# Altium PCB netv2mvp-pvt1b.PCBDOC (part 4 of 7)
Units mm, origin at the board's own origin, x right, y up, seen from the top; angles counter-clockwise.
Board outline 100 x 100 mm, 6 copper layers (L1, L2, L3, L4, L5, L6), stack 1.554 mm thick; 357 components, 296 nets, 2117 pads, 969 vias.
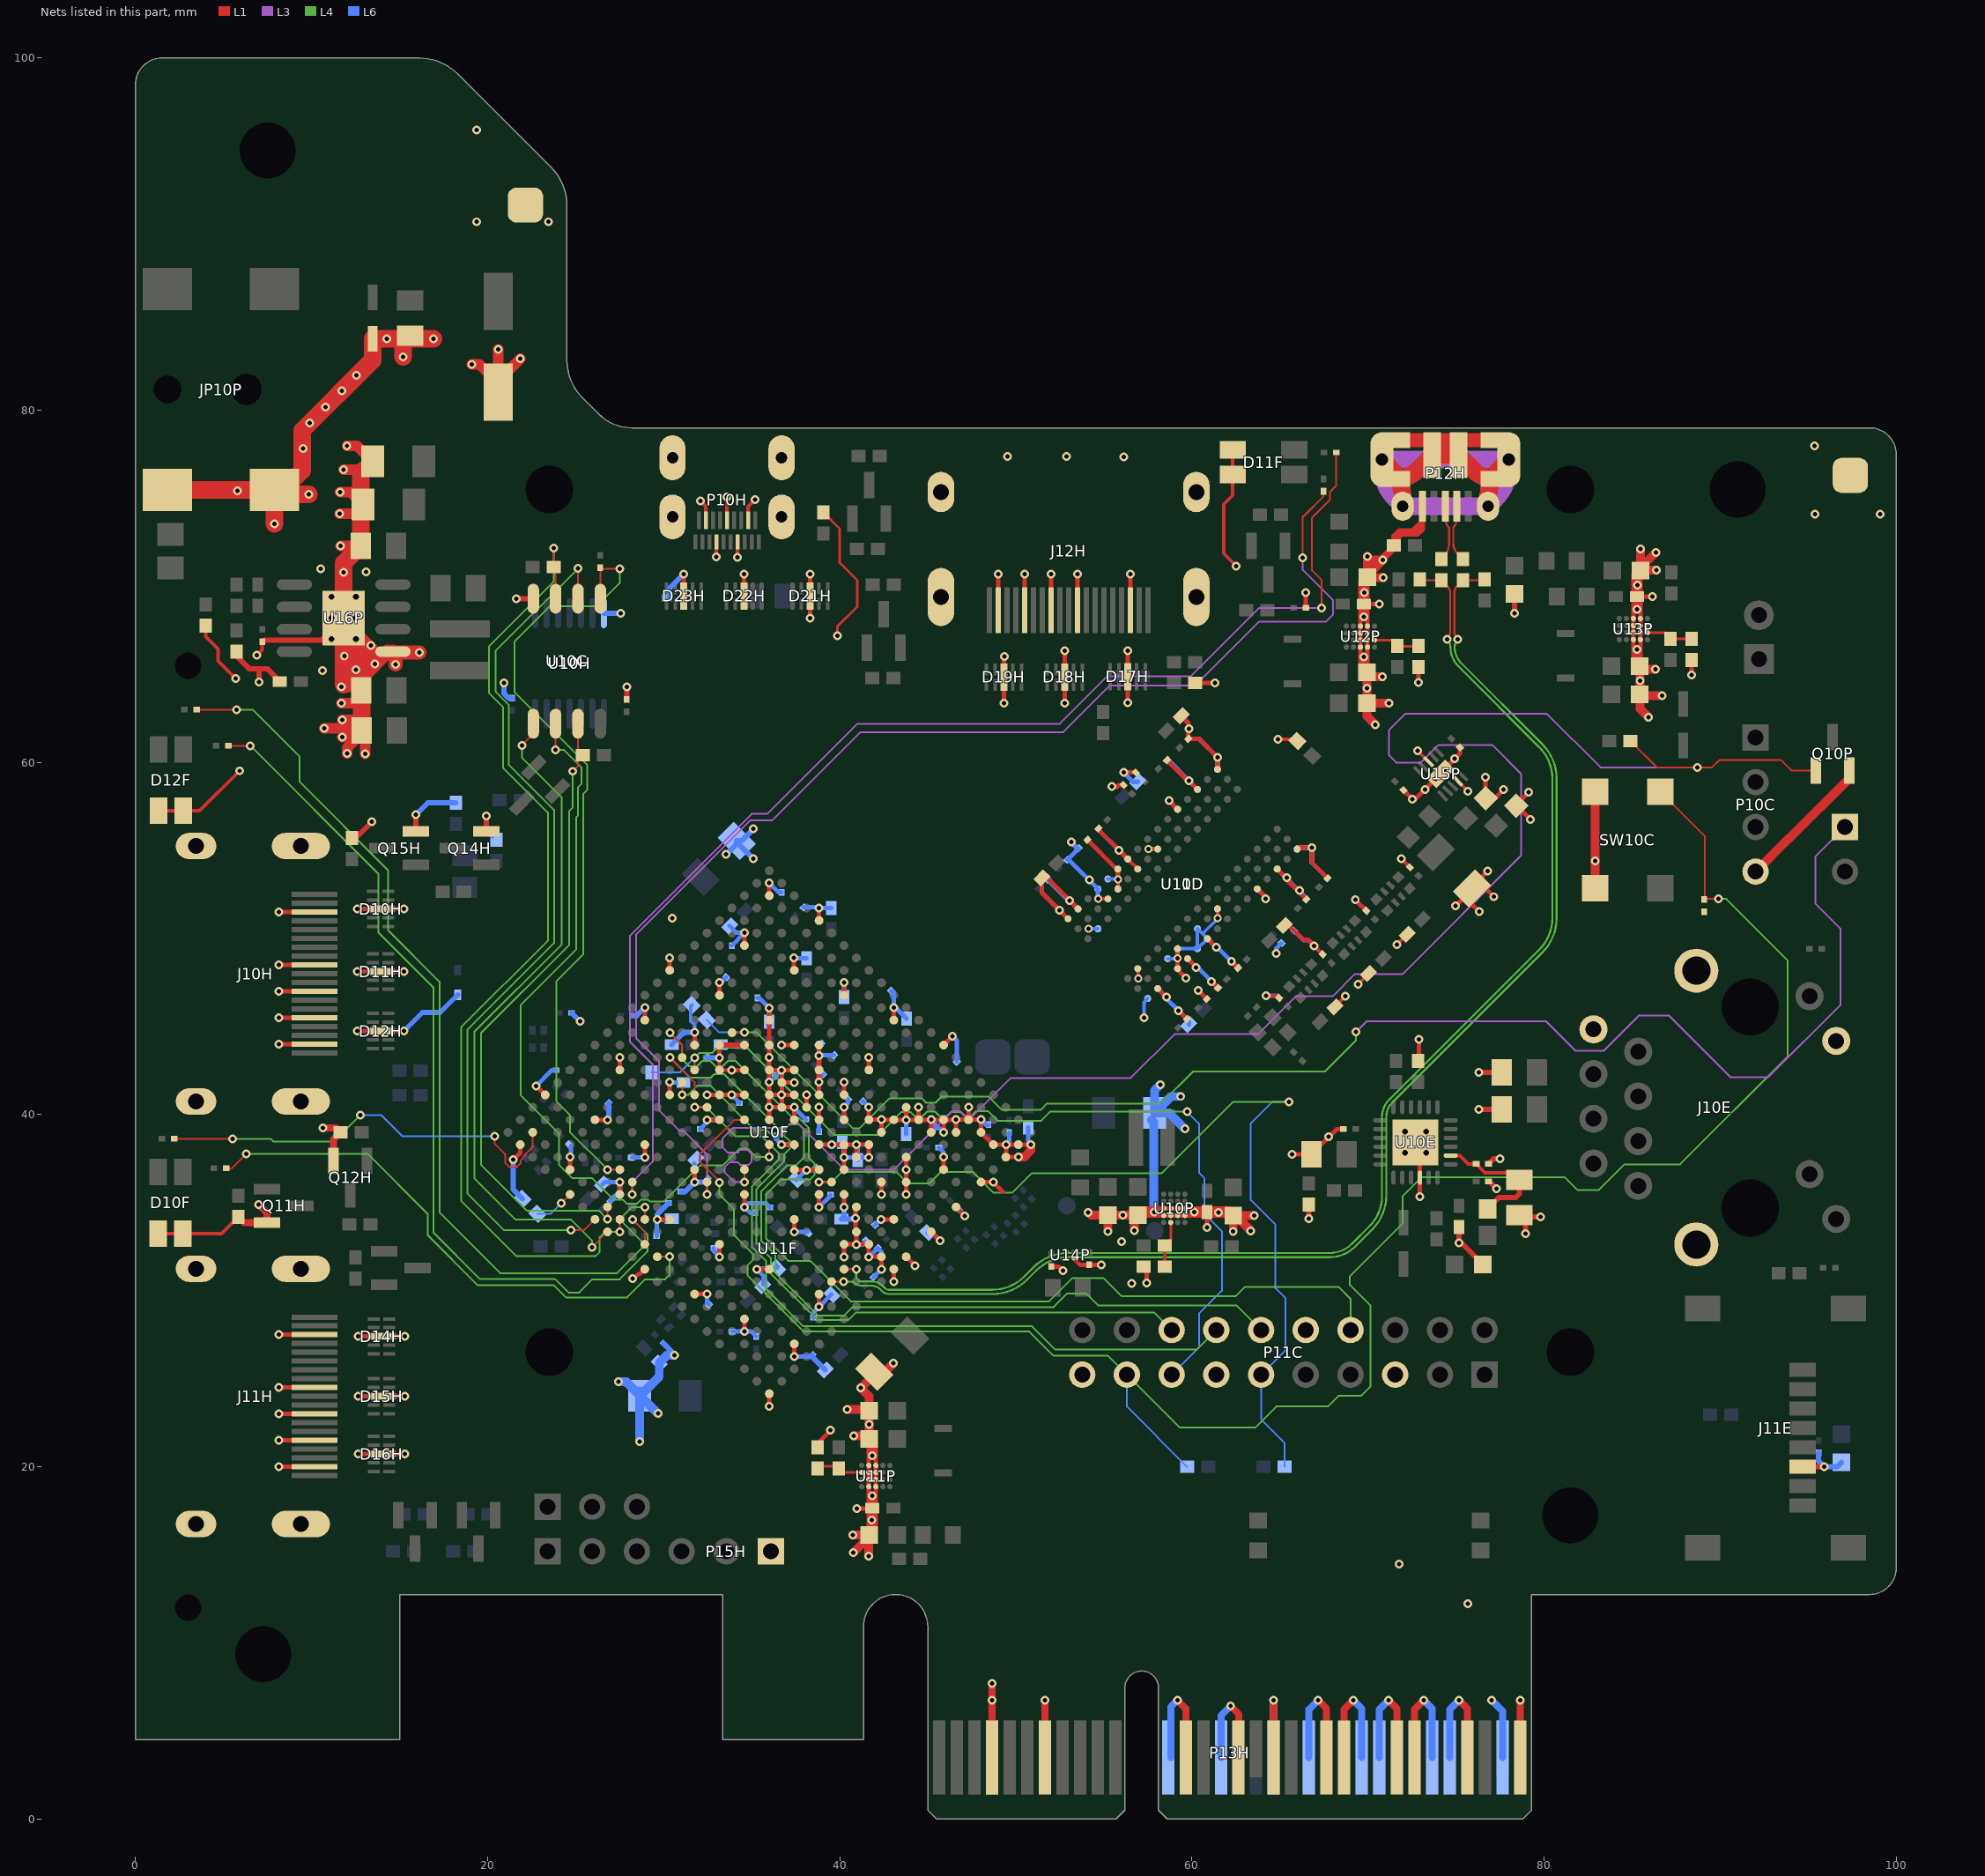
[diagram p8: the nets of this part, all layers, seen from the top]

## Via types
v1: diameter 0.5, hole 0.25, L1 to L6, tented both sides, 895 vias
v2: diameter 0.45, hole 0.25, L1 to L6, tented both sides, 57 vias
v3: diameter 0.7, hole 0.33, L1 to L6, 6 vias
v4: diameter 0.7, hole 0.33, L1 to L6, tented both sides, 5 vias
v5: diameter 0.66, hole 0.33, L1 to L6, tented top, 4 vias
v6: diameter 0.5, hole 0.25, L1 to L6, tented top, 2 vias

## Nets (pads, with @x,y where several pads share a name; then routed paths per layer and width w, separated by ;. In a path a pad name is that pad's centre, name@x,y a point inside that pad or via, vN(x,y) a via of type N, cw(c..) or ccw(c..) an arc to the next point about the centre after c; other vN are vias at no path point) (continued)
ETH_VDDA: C14E.1 C15E.1 L11E.2 U10E.2 | length 7.8
  L1 w0.2: U10E.2@74.7,37.675 75.225,37.675 75.7,37.2 C15E.1@76.15,37.2 76.65,36.7 78.525,36.7 78.812,36.413 C14E.1@78.65,36.25
  L1 w0.3: L11E.2@76.8,34.65 77.45,35.3 78.4,35.3 78.6,35.5 C14E.1@78.6,36.3
FAN_PWM: Q10P.1 R29P.1 U10F.L14 | length 107
  L1 w0.1: v1(34.586,36.179) U10F.L14@34.586,36.879 ; R29P.1@84.9,61.225 86.406,59.718 v1(88.7,59.718) 89.543,59.718 89.959,60.134 93.466,60.134 94.053,59.547 Q10P.1@95.45,59.547
  L3 w0.1: v1(34.586,36.179) 34.005,36.179 33.475,36.709 33.475,37.033 33.742,37.3 34.2,37.3 34.347,37.153 34.829,37.153 35.001,37.325 35.001,37.765 34.766,38 34.363,38 34.197,37.834 33.651,37.834 33.35,38.135 33.35,38.65 33.95,39.25 36.95,39.25 37.2,39.5 37.636,39.5 40.257,36.879 43.077,36.879 46.398,40.2 46.831,40.2 47.131,39.9 47.532,39.9 49.708,42.076 56.527,42.076 59.018,44.567 63.742,44.567 65.9,46.725 68,46.725 69.262,47.987 71.977,47.987 78.7,54.711 78.7,59.358 77.058,61 74,61 73,60 71.6,60 71.2,60.4 71.2,61.85 72.125,62.775 80.15,62.775 83.207,59.718 v1(88.7,59.718)
FB_P1.0V: R14P.1 R16P.1 U10P.A3 | length 2.6
  L1 w0.15: R16P.1@58.45,31.375 R14P.1@58.45,32.575 58.8,32.925 U10P.A3@58.8,33.875
FB_P1.5V: R23P.1 R25P.1 U12P.A3 | length 2.6
  L1 w0.15: U12P.A3@70.375,66.95 71.325,66.95 71.675,66.6 R25P.1@72.875,66.6
FB_P1.8V: R15P.1 R17P.1 U11P.A3 | length 2.6
  L1 w0.15: R17P.1@38.75,20.025 39.95,20.025 40.3,19.675 U11P.A3@41.25,19.675
FB_P3.3V: R24P.1 R26P.1 U13P.A3 | length 2.6
  L1 w0.15: U13P.A3@85.875,67.375 86.825,67.375 R24P.1@87.175,67.025 R26P.1@88.375,67.025
FPGA_DONE: P11C.11 R14F.1 U10F.G11 | length 54.9
  L1 w0.1: v1@38.836,36.172 U10F.G11@39.536,36.172
  L4 w0.1: v1(38.828,36.164) 39.539,36.164 40.125,36.75 43.2,36.75 43.85,36.1 45.1,36.1 45.75,36.75 47.55,36.75 48.725,35.575 49.814,35.575 50.914,36.675 58.294,36.675 62.344,40.725 v1(65.525,40.725)
  L6 w0.1: R14F.1@65.275,20 65.275,21.35 63.93,22.695 P11C.11@63.93,25.23 65.325,26.625 65.325,29.575 64.75,30.15 64.75,33.75 63.35,35.15 63.35,39.5 64.575,40.725 v1(65.525,40.725)
FPGA_INIT: P11C.15 R13F.1 U10F.U12 | length 52.3
  L1 w0.1: U10F.U12@31.757,42.536 v1(31.757,43.235)
  L4 w0.1: v1(31.757,43.235) 32.022,43.5 32.75,43.5 33.05,43.8 34.725,43.8 39.675,38.85 42.2,38.85 43.5,40.15 44,40.15 44.225,39.925 44.725,39.925 44.975,40.175 45.4,40.175 45.65,39.925 46.125,39.925 46.35,40.15 46.85,40.15 47.05,39.95 47.5,39.95 47.75,40.2 48.425,40.2 48.975,39.65 51.45,39.65 51.975,40.175 v1@59.725,40.175
  L6 w0.1: R13F.1@29.3,42.4 30.922,42.4 v1(31.757,43.235) ; P11C.15@58.85,25.23 60.4,26.78 60.4,28.7 61.7,30 61.7,33.375 60.7,34.375 60.7,36.4 60.4,36.7 60.4,39.494 v1(59.725,40.169)
FPGA_LED0: R18F.2 U10F.M21 | length 51.6
  L1 w0.1: R18F.2@5.275,60.95 v1(6.525,60.95) ; v1(28.225,34.05) 28.929,33.346 U10F.M21@28.929,32.636
  L4 w0.1: v1(6.525,60.95) 13.8,53.675 13.8,50.35 16.925,47.225 16.925,33.3 19.55,30.675 23.825,30.675 24.6,29.9 25.2,29.9 25.95,30.65 27.5,30.65 29.075,32.225 29.075,33.2 v1(28.225,34.05)
FPGA_LED1: R21E.2 U10F.N20 | length 54
  L1 w0.1: R21E.2@3.475,63 v1(5.75,63) ; U10F.N20@28.929,34.05 v1(28.929,34.75)
  L4 w0.1: v1(5.75,63) 6.65,63 9.325,60.325 9.325,58.9 14.35,53.875 14.35,50.475 17.275,47.55 17.275,34.45 20.725,31 27.35,31 28.75,32.4 28.75,32.8 27.7,33.85 27.7,34.25 28.2,34.75 v1(28.929,34.75)
FPGA_LED2: R16F.2 U10F.L21 | length 31.9
  L1 w0.1: R16F.2@5.15,36.95 5.475,36.95 v1(6.3,37.775) ; U10F.L21@29.636,31.929 v1(30.336,31.929)
  L4 w0.1: v1(6.3,37.775) 13.175,37.775 16.6,34.35 16.6,33.15 19.425,30.325 23.75,30.325 24.45,29.625 27.925,29.625 28.95,30.65 30.075,30.65 30.336,30.911 v1(30.336,31.929)
FPGA_LED3: R19E.2 U10F.AA21 | length 24.3
  L1 w0.1: R19E.2@2.2,38.625 v1(5.525,38.625) ; v1(20.4,38.775) 20.4,38.35 21,37.75 21,37.25 21.225,37.025 21.675,37.025 21.875,37.225 21.875,37.375 22.125,37.625 22.125,37.716 22.565,38.156 U10F.AA21@22.565,39
  L4 w0.1: v1(5.525,38.625) 7.675,38.625 7.825,38.475 11.275,38.475 v1(12.775,39.975)
  L6 w0.1: v1(12.775,39.975) 13.95,39.975 15.15,38.775 v1(20.4,38.775)
FPGA_LED4: R20E.2 U10F.R19 | length 73
  L1 w0.1: v1(28.222,35.472) U10F.R19@28.222,36.172 ; v1(67.375,68.775) 67.375,70.35 66.825,70.9 66.825,73.9 67.85,74.925 67.85,75.375 68.2,75.725 R20E.2@68.2,77.6
  L3 w0.1: v1(28.222,35.472) 28.222,36.172 29.375,37.325 29.375,42.85 28.075,44.15 28.075,50.149 35.001,57.075 35.875,57.075 41,62.2 52.5,62.2 55.2,64.9 59.95,64.9 63.825,68.775 v1(67.375,68.775)
FPGA_LED5: R17F.2 U10F.M16 | length 72.7
  L1 w0.1: v1(32.464,35.472) U10F.M16@32.464,36.172 ; v1@66.3,71.55 v1(66.3,71.625) 66.3,73.95 66.35,74 66.366,74 67.475,75.109 R17F.2@67.475,75.4
  L3 w0.1: v1(32.464,35.472) 32.464,37.736 31.125,39.075 30.9,39.075 29.725,40.25 29.725,43.05 28.425,44.35 28.425,50.216 34.909,56.7 36.15,56.7 41.175,61.725 52.7,61.725 55.35,64.375 60.2,64.375 63.825,68 67.625,68 68.025,68.4 68.025,69.2 66.3,70.925 v1(66.3,71.625)
FPGA_MODE: P10F.1 R15F.2 U10F.U9 | length 87.3
  L1 w0.1: U10F.U9@33.879,44.657 34.578,44.657 v1(34.586,44.665)
  L3 w0.1: v1(69.325,44.7) 69.925,45.3 80.125,45.3 81.8,43.625 83.4,43.625 85.4,45.625 87.1,45.625 90.6,42.125 92.725,42.125 96.85,46.25 96.85,50.55 95.425,51.975 95.425,54.665 P10F.1@97.1,56.34
  L4 w0.1: v1(34.586,44.665) 35.285,44.665 40.725,39.225 41.125,39.225 42.825,40.925 44.65,40.925 44.9,40.675 45.45,40.675 45.8,41.025 48.45,41.025 49.213,40.262 51.412,40.262 51.775,40.625 58.24,40.625 60.065,42.45 67.55,42.45 69.325,44.225 v1(69.325,44.7)
  L6 w0.1: R15F.2@32.449,45.376 33.16,44.665 v1(34.586,44.665)
FPGA_PROGRAM_B: C16C.1 P11C.17 R12F.1 SW10C.3 U10F.N12 | length 115.2
  L1 w0.1: v1(33.175,36.15) 33.175,36.2 32.064,37.311 32.064,37.751 34.02,39.707 U10F.N12@34.586,39.707 ; SW10C.3@86.6,58.346 89.141,55.805 89.141,52.25 v1(89.9,52.25)
  L4 w0.1: v1(33.175,36.15) 33.175,35.45 34,34.625 34,33.15 35.075,32.075 35.075,31.75 34.775,31.45 34.775,30.855 37.955,27.675 50.775,27.675 52.15,26.3 55.24,26.3 P11C.17@56.31,25.23 59.315,22.225 63.6,22.225 64.8,23.425 67.725,23.425 68.325,24.025 69.6,24.025 70.15,24.575 70.15,29.15 68.975,30.325 68.975,30.825 71.975,33.825 71.975,35.375 73.05,36.45 81.175,36.45 81.9,35.725 83.125,35.725 84.575,37.175 87.725,37.175 93.85,43.3 93.85,48.75 90.35,52.25 v1(89.9,52.25)
  L6 w0.1: P11C.17@56.31,25.23 56.31,23.415 R12F.1@59.725,20
FPGA_PUDC: R10F.1 U10F.U22 | length 2.3
  L1 w0.1: v1(24.191,34.97) U10F.U22@24.686,35.464
  L6 w0.1: R10F.1@22.824,34.376 23.598,34.376 v1(24.191,34.97)
FPGA_SPI_CS: R10C.2 U10C.1 U10F.T19 | length 45.3
  L1 w0.1: U10C.1@26.405,69.3 26.405,71.045 26.45,71 v1(27.5,71) ; v1(26.815,36.879) U10F.T19@27.515,36.879
  L4 w0.1: v1(26.815,36.879) 24.675,39.019 24.675,39.975 23.9,40.75 23.9,47.574 25.425,49.099 25.425,58.2 25.65,58.425 25.65,59.875 21.525,64 21.525,66.85 23.55,68.875 26.2,68.875 27.5,70.175 v1(27.5,71)
FPGA_SPI_MISO_D1: U10C.2 U10F.R22 | length 50.9
  L1 w0.1: v1(24.725,33.45) 25.5,33.45 U10F.R22@26.101,34.05 ; U10C.2@25.135,69.3 v1(25.135,71.01)
  L4 w0.1: v1(24.725,33.45) 20.925,33.45 18.85,35.525 18.85,44.807 23.775,49.732 23.775,57.3 21.2,59.875 21.2,63.275 20.45,64.025 20.45,66.325 v1(25.135,71.01)
FPGA_SPI_MOSI_D0: U10C.5 U10F.P22 | length 38.8
  L1 w0.1: v1(21.95,60.975) 22.595,61.62 U10C.5@22.595,62.2 ; v1(25.939,32.475) U10F.P22@26.808,33.343
  L4 w0.1: v1(21.95,60.975) 21.95,60.275 24.2,58.025 24.2,49.65 19.25,44.7 19.25,36.375 21.575,34.05 24.725,34.05 25.939,32.836 v1(25.939,32.475)
FPGA_SPI_RES_D3: R11C.2 U10C.7 U10F.R21 | length 36.5
  L1 w0.1: v1(24.825,59.5) 25.135,59.81 U10C.7@25.135,62.2 ; v1(26.808,34.058) U10F.R21@26.808,34.757
  L4 w0.1: v1(24.825,59.5) 24.825,57.425 24.625,57.225 24.625,49.625 19.625,44.625 19.625,37.15 22.225,34.55 26.315,34.55 v1(26.808,34.058)
FPGA_SPI_SCK: U10C.6 U10F.L12 | length 43.4
  L1 w0.1: v1(23.865,60.71) U10C.6@23.865,62.2 ; v1(36,37.593) U10F.L12@36,38.293
  L4 w0.1: v1(23.865,60.71) 24.34,60.71 25.325,59.725 25.325,58.775 25.125,58.575 25.125,56.975 25.025,56.875 25.025,49.375 21.875,46.225 21.875,41.1 24.05,38.925 24.05,37.15 24.8,36.4 25.925,36.4 27.168,35.157 27.688,35.157 27.895,34.95 28.5,34.95 28.725,35.175 29.1,35.175 29.218,35.057 30.007,35.057 32.075,37.125 33.375,37.125 34.325,38.075 34.775,38.075 35.257,37.593 v1(36,37.593)
FPGA_SPI_WP_D2: R12C.2 U10C.3 U10F.P21 | length 56.9
  L1 w0.1: R12C.2@23.75,71.1 v1(23.75,72.175) ; U10C.3@23.865,69.3 R12C.2@23.865,71.035 ; v1(27.515,33.351) U10F.P21@27.515,34.05
  L4 w0.1: v1(23.75,72.175) 23.75,70.25 20.075,66.575 20.075,63.95 20.875,63.15 20.875,59.7 23.425,57.15 23.425,49.877 18.5,44.952 18.5,35.1 21.625,31.975 26.139,31.975 26.364,32.2 26.364,33.039 26.676,33.351 v1(27.515,33.351)
FPGA_TCK: P11C.8 U10F.V12 | length 59.2
  L1 w0.1: v1(30.35,44.65) 31.05,43.95 U10F.V12@31.05,43.243
  L4 w0.1: v1(30.35,44.65) 31.05,43.95 31.05,43.15 31.45,42.75 31.9,42.75 32.2,43.05 32.65,43.05 32.975,42.725 33.325,42.725 33.65,43.05 34.075,43.05 37.3,39.825 37.65,39.825 38.25,39.225 38.25,37.525 38.575,37.2 38.575,36.575 38.325,36.325 36.675,36.325 35.825,35.475 35.825,32.95 37.075,31.7 38.325,31.7 40.625,29.4 41.115,29.4 51.9,29.4 53.225,30.725 54.975,30.725 56,29.7 62.5,29.7 63.025,30.225 68.325,30.225 69.01,29.54 P11C.8@69.01,27.77
FPGA_TDI: P11C.14 U10F.R13 | length 42.7
  L1 w0.1: v1(31.765,40.414) U10F.R13@32.464,40.414
  L4 w0.1: v1(31.765,40.414) 32.436,40.414 34.075,38.775 35.55,38.775 36.55,37.775 36.55,37.45 35.025,35.925 35.025,32.475 35.825,31.675 35.825,30.088 37.938,27.975 50.925,27.975 52.25,26.65 60.27,26.65 P11C.14@61.39,27.77
FPGA_TDO: P11C.16 U10F.U13 | length 41.5
  L1 w0.1: v1(31.05,41.129) U10F.U13@31.05,41.828
  L4 w0.1: v1(31.05,41.129) 31.404,41.129 31.925,41.65 32.65,41.65 35.185,39.115 35.85,39.115 36.052,38.913 36.737,38.913 37.225,38.425 37.225,38.125 36.85,37.75 36.85,37.35 35.275,35.775 35.275,32.675 36.088,31.862 36.088,30.986 38.228,28.845 38.723,28.35 40.5,28.35 40.925,28.775 57.845,28.775 P11C.16@58.85,27.77
FPGA_TMS: P11C.12 U10F.T13 | length 52.1
  L1 w0.1: v1(30.35,43.25) 31.757,41.843 U10F.T13@31.757,41.121
  L4 w0.1: v1(30.35,43.25) 31.5,42.1 32.675,42.1 32.875,42.3 33.425,42.3 36.55,39.175 36.9,39.175 37.175,39.45 37.65,39.45 37.975,39.125 37.975,37.573 37.527,37.125 37.025,37.125 35.55,35.65 35.55,32.825 36.35,32.025 36.35,31.006 38.428,28.927 ; 38.428,28.927 38.755,28.6 40.25,28.6 40.725,29.075 52.15,29.075 52.925,29.85 54,29.85 54.675,29.175 62.525,29.175 P11C.12@63.93,27.77
FUSB_N: R23H.2 R28H.1 U10F.C15 | length 76.7
  L1 w0.112: U10F.C15@39.536,30.515 v1(40.232,30.515) ; v1(75.1,67) cw(c75.565,67.465) 74.907,67.465 74.907,69.65 cw(c75.408,69.65) 75.054,70.004 R28H.1@75.4,70.35 R23H.2@76.575,70.35
  L4 w0.112: v1(40.232,30.515) 40.702,30.515 cw(c40.702,30.352) 40.817,30.467 ccw(c41.256,30.906) 41.256,30.285 41.825,30.285 cw(c41.825,29.645) 42.277,30.098 42.375,30 ccw(c42.834,30.459) 42.834,29.81 48.673,29.81 ccw(c48.673,32.59) 50.639,30.624 51.17,31.156 cw(c52.967,29.36) 52.967,31.9 67.825,31.9 ccw(c67.825,33.927) 69.258,32.494 70.245,33.48 ccw(c68.325,35.4) 71.04,35.4 71.04,39.875 cw(c72.163,39.875) 71.369,40.669 79.901,49.201 ccw(c77.935,51.167) 80.715,51.167 80.715,59.073 ccw(c77.935,59.073) 79.901,61.039 75.304,65.636 cw(c76.218,66.55) 74.925,66.55 74.925,66.578 cw(c75.522,66.578) v1(75.1,67)
FUSB_P: R24H.2 R30H.1 U10F.C14 | length 76.1
  L1 w0.112: U10F.C14@40.243,31.222 v1(40.939,31.222) ; R24H.2@73,70.35 R30H.1@74.175,70.35 R30H.1@74.521,70.004 ; v1(74.5,67) ccw(c74.096,67.404) 74.667,67.404 74.667,69.65 ccw(c74.167,69.65) R30H.1@74.521,70.004
  L4 w0.112: v1(40.939,31.222) 40.939,30.752 ccw(c41.102,30.752) 40.987,30.637 ccw(c41.256,30.906) 41.256,30.525 41.825,30.525 cw(c41.825,29.645) 42.447,30.267 42.545,30.17 ccw(c42.834,30.459) 42.834,30.05 48.673,30.05 ccw(c48.673,32.59) 50.469,30.794 51.001,31.326 cw(c52.967,29.36) 52.967,32.14 67.825,32.14 ccw(c67.825,33.927) 69.088,32.663 70.075,33.65 ccw(c68.325,35.4) 70.8,35.4 70.8,39.875 cw(c72.163,39.875) 71.199,40.839 79.731,49.37 ccw(c77.935,51.167) 80.475,51.167 80.475,59.073 ccw(c77.935,59.073) 79.731,60.869 75.134,65.466 cw(c76.218,66.55) 74.685,66.55 74.685,66.553 ccw(c74.053,66.553) v1(74.5,67)
FUSBD_N: P12H.2 R28H.2 | length 3.2
  L1 w0.112: P12H.2@75.05,73.835 cw(c74.35,73.835) 74.845,73.34 74.845,72.45 ccw(c75.678,72.45) R28H.2@75.089,71.861
  L1 w0.12: P12H.2@75.05,73.835 P12H.2@75.05,74.475 ; R28H.2@75.089,71.861 R28H.2@75.4,71.55
FUSBD_P: P12H.3 R30H.2 | length 3.1
  L1 w0.112: R30H.2@74.273,71.648 ccw(c73.47,72.45) 74.605,72.45 74.605,73.34 cw(c75.1,73.835) P12H.3@74.4,73.835
  L1 w0.12: R30H.2@74.175,71.55 R30H.2@74.273,71.648 ; P12H.3@74.4,73.835 P12H.3@74.4,74.475
GND: C10C.2 C10D.1 C10E.2 C10F.2 C10H.2 C10P.2 C11D.2 C11E.2 C11F.2 C11H.2 C11P.2 C12D.2 C12E.2 C12F.2 C12H.2 C12P.2 C13D.2 C13E.2 C13F.2 C13P.2 C14D.2 C14E.2 C14F.2 C14P.2 C15D.2 C15E.2 C15F.2 C15P.2 C16C.2 C16D.2 C16E.2 C16F.2 C16P.2 C17D.2 C17E.2 C17F.2 C17P.2 C18D.2 C18E.2 C18F.2 C18P.2 C19D.2 C19E.2 C19F.2 C19P.2 C20D.2 C20E.2 C20P.2 C21D.2 C21P.2 C22D.2 C22P.2 C23D.2 C23P.2 C24D.2 C24P.2 C25D.2 C25P.2 C26D.2 C26F.2 C26P.2 C27D.1 C27P.2 C28D.2 C28F.2 C29D.1 C29F.2 C29P.2 C30D.1 C30F.2 C30P.2 C31D.2 C31F.2 C31P.2 C32D.2 C32F.2 C32P.1 C33D.1 C33F.2 C33P.2 C34D.1 C34F.2 C34P.2 C35D.1 C35F.2 C35P.2 C36D.2 C37D.2 C37P.2 C38D.2 C38F.2 C38P.2 C39D.2 C39F.2 C39P.2 C40D.2 C40P.2 C41D.2 C41F.2 C41P.1 C42D.1 C42F.2 C42P.2 C43D.1 C43F.2 C44D.2 C44F.2 C45D.2 C45F.2 C46D.2 C46F.2 C47D.2 C47F.2 C48D.2 C48F.2 C49D.1 C49F.2 C50F.2 C51F.2 C52F.2 C53F.2 C54F.2 C55F.2 C56F.2 C57F.2 C58F.2 C59F.2 C60F.2 C61F.2 C62F.2 C63F.2 C64F.2 C65F.2 C66F.2 C67F.2 C68F.2 C69F.2 C70F.2 C71F.2 C72F.2 C73F.2 C74F.2 C75F.2 C76F.2 C77F.2 C78F.2 C79F.2 C80F.2 C81F.2 C82F.2 C83F.2 C84F.2 C85F.2 C86F.2 C87F.2 C88F.2 C89F.2 C90F.2 C91F.2 C92F.2 C93F.2 C94F.2 C95F.2 C96F.2 C97F.2 C98F.2 C99F.2 D10F.3 D10F.4 D10H.3 D10P.2 D11F.3 D11F.4 D11H.3 D12F.3 D12F.4 D12H.3 D13H.2 D14H.3 D15H.3 D16H.3 D17H.3 D18H.3 D19H.3 D20H.2 D21H.3 D22H.3 D23H.3 J10E.0 J10E.L2 J10E.R8 J10H.0 J10H.2 J10H.5 J10H.8 J10H.11 J10H.17 J11E.6 J11H.0 J11H.2 J11H.5 J11H.8 J11H.11 J11H.17 J12H.0 J12H.2 J12H.5 J12H.8 J12H.11 J12H.17 JP10P.2 JP10P.3 P10C.4 P10H.0 P10H.4 P10H.7 P10H.10 P10H.13 P10H.16 P11C.5 P11C.10 P11C.13 P11C.19 P12H.0 P12H.5 P13H.A4 P13H.A12 P13H.A15 P13H.A18 P13H.A20 P13H.A23 P13H.A24 P13H.A27 P13H.A28 P13H.A31 P13H.B4 P13H.B7 P13H.B13 P13H.B16 P13H.B18 P13H.B21 P13H.B22 P13H.B25 P13H.B26 P13H.B29 P13H.B32 P15H.1 Q10P.2 Q11H.2 Q12H.2 Q14H.2 Q15H.2 R10D.1 R10F.2 R10H.1 R11D.1 R14D.1 R15E.1 R15F.1 R16P.2 R17E.1 R17H.2 R17P.2 R20H.2 R25P.2 R26P.2 R31H.2 R31P.1 R32P.2 R33H.2 R34H.2 R39H.2 R40H.1 SW10C.1 SW10C.2 TP11H.1 TP13H.1 U10C.4 U10D.A9 U10D.B1 U10D.B3 U10D.B9 U10D.D1 U10D.D8 U10D.E1 U10D.E2 U10D.E8 U10D.F9 U10D.G1 U10D.G8 U10D.G9 U10D.J2 U10D.J8 U10D.M1 U10D.M9 U10D.P1 U10D.P9 U10D.T1 U10D.T9 U10E.22 U10E.25 U10F.A2 U10F.A3 U10F.A5 U10F.A7 U10F.A9 U10F.A11 U10F.A12 U10F.A22 U10F.AA2 U10F.AA12 U10F.AA22 U10F.AB9 U10F.AB19 U10F.B3 U10F.B12 U10F.B19 U10F.C3 U10F.C6 U10F.C10 U10F.C12 U10F.C16 U10F.D3 U10F.D4 U10F.D8 U10F.D12 U10F.D13 U10F.E4 U10F.E5 U10F.E7 U10F.E9 U10F.E11 U10F.E20 U10F.F5 U10F.F11 U10F.F17 U10F.G5 U10F.G6 U10F.G7 U10F.G8 U10F.G9 U10F.G10 U10F.G12 U10F.G14 U10F.H1 U10F.H7 U10F.H9 U10F.H11 U10F.H21 U10F.J8 U10F.J10 U10F.J12 U10F.J18 U10F.K5 U10F.K7 U10F.K9 U10F.K11 U10F.K15 U10F.L2 U10F.L8 U10F.L9 U10F.L10 U10F.L22 U10F.M7 U10F.M9 U10F.M10 U10F.M11 U10F.M19 U10F.N6 U10F.N8 U10F.N9 U10F.N10 U10F.N16 U10F.P3 U10F.P7 U10F.P9 U10F.P11 U10F.P13 U10F.R8 U10F.R10 U10F.R12 U10F.R20 U10F.T7 U10F.T9 U10F.T11 U10F.T17 U10F.U4 U10F.U10 U10F.U14 U10F.V1 U10F.V11 U10F.V21 U10F.W8 U10F.W18 U10F.Y5 U10F.Y15 U10H.7 U10P.B1 U10P.B2 U10P.B3 U10P.B4 U10P.C1 U10P.C2 U10P.C3 U10P.C4 U11D.A9 U11D.B1 U11D.B3 U11D.B9 U11D.D1 U11D.D8 U11D.E1 U11D.E2 U11D.E8 U11D.F9 U11D.G1 U11D.G8 U11D.G9 U11D.J2 U11D.J8 U11D.M1 U11D.M9 U11D.P1 U11D.P9 U11D.T1 U11D.T9 U11F.2 U11P.B1 U11P.B2 U11P.B3 U11P.B4 U11P.C1 U11P.C2 U11P.C3 U11P.C4 U12P.B1 U12P.B2 U12P.B3 U12P.B4 U12P.C1 U12P.C2 U12P.C3 U12P.C4 U13P.B1 U13P.B2 U13P.B3 U13P.B4 U13P.C1 U13P.C2 U13P.C3 U13P.C4 U14P.B2 U15P.4 U15P.8 U15P.11 U16P.5 U16P.9 | length 761
  L1 w0.1: R31P.1@5.475,66.3 R31P.1@5.75,66.3
  L1 w0.15: R40H.1@39.075,74.2 40,73.275 40,71.35 41,70.35 41,68.85 39.875,67.725 v1(39.875,67.2)
  L1 w0.18: v1(72.819,60.656) U15P.8@73.325,60.15 ; U15P.4@75.175,58.875 v1(75.681,58.369)
  L1 w0.2: D10F.4@1.3,33.25 D10F.3@2.7,33.25 4.9,33.25 R17H.2@5.85,34.2 ; D12F.4@1.325,57.25 D12F.3@2.725,57.25 3.65,57.25 v1(5.925,59.525) ; R32P.2@4,67.775 4,67.15 4.7,66.45 4.7,65.77 v1(5.7,64.77) ; v1(6.9,66.1) 7.2,66.4 C42P.2@7.2,66.85 ; v1(32.1,74.85) 32.4,74.55 P10H.4@32.4,73.75 ; v1(33,71.675) P10H.7@33,72.525 ; v1(33.172,43.235) U10F.T11@33.172,42.536 v1(33.871,42.536) ; P10H.10@33.6,73.75 v1(33.6,75.075) ; v1(34.2,71.65) P10H.13@34.2,72.525 ; P10H.16@34.8,73.75 34.8,74.525 v1(35.2,74.925) ; v2(54.693,52.25) U11D.D8@55.23,52.25 ; U11D.E8@55.796,52.816 v2(55.796,53.353) ; U11D.G9@56.362,54.513 U11D.G8@56.927,53.947 ; U11D.B3@56.927,48.29 v2@56.948,47.731 ; v2(57.522,55.078) U11D.J8@58.059,55.078 ; v2(59.19,48.884) U11D.E2@59.19,49.421 ; v2(61.453,51.147) U11D.J2@61.453,51.684 ; D11F.4@62.325,77.75 D11F.3@62.325,76.35 62.325,75.175 61.8,74.65 61.8,71.875 v1(62.525,71.15) ; v1(64.225,46.75) C35D.1@64.9,46.75 ; v1(64.878,61.325) R11D.1@65.975,61.325 ; v1(66.951,49.581) C27D.1@67.428,49.103 ; C20D.2@68.124,46.124 v1(68.725,46.725) ; v1(69.45,47.4) 70.03,47.98 C26D.2@70.03,48.022 ; v1(71.634,49.65) C28D.2@72.23,50.247 ; v1(71.9,54.53) C34D.1@72.378,54.053